# Altium PCB mcu2.PcbDoc (continued)
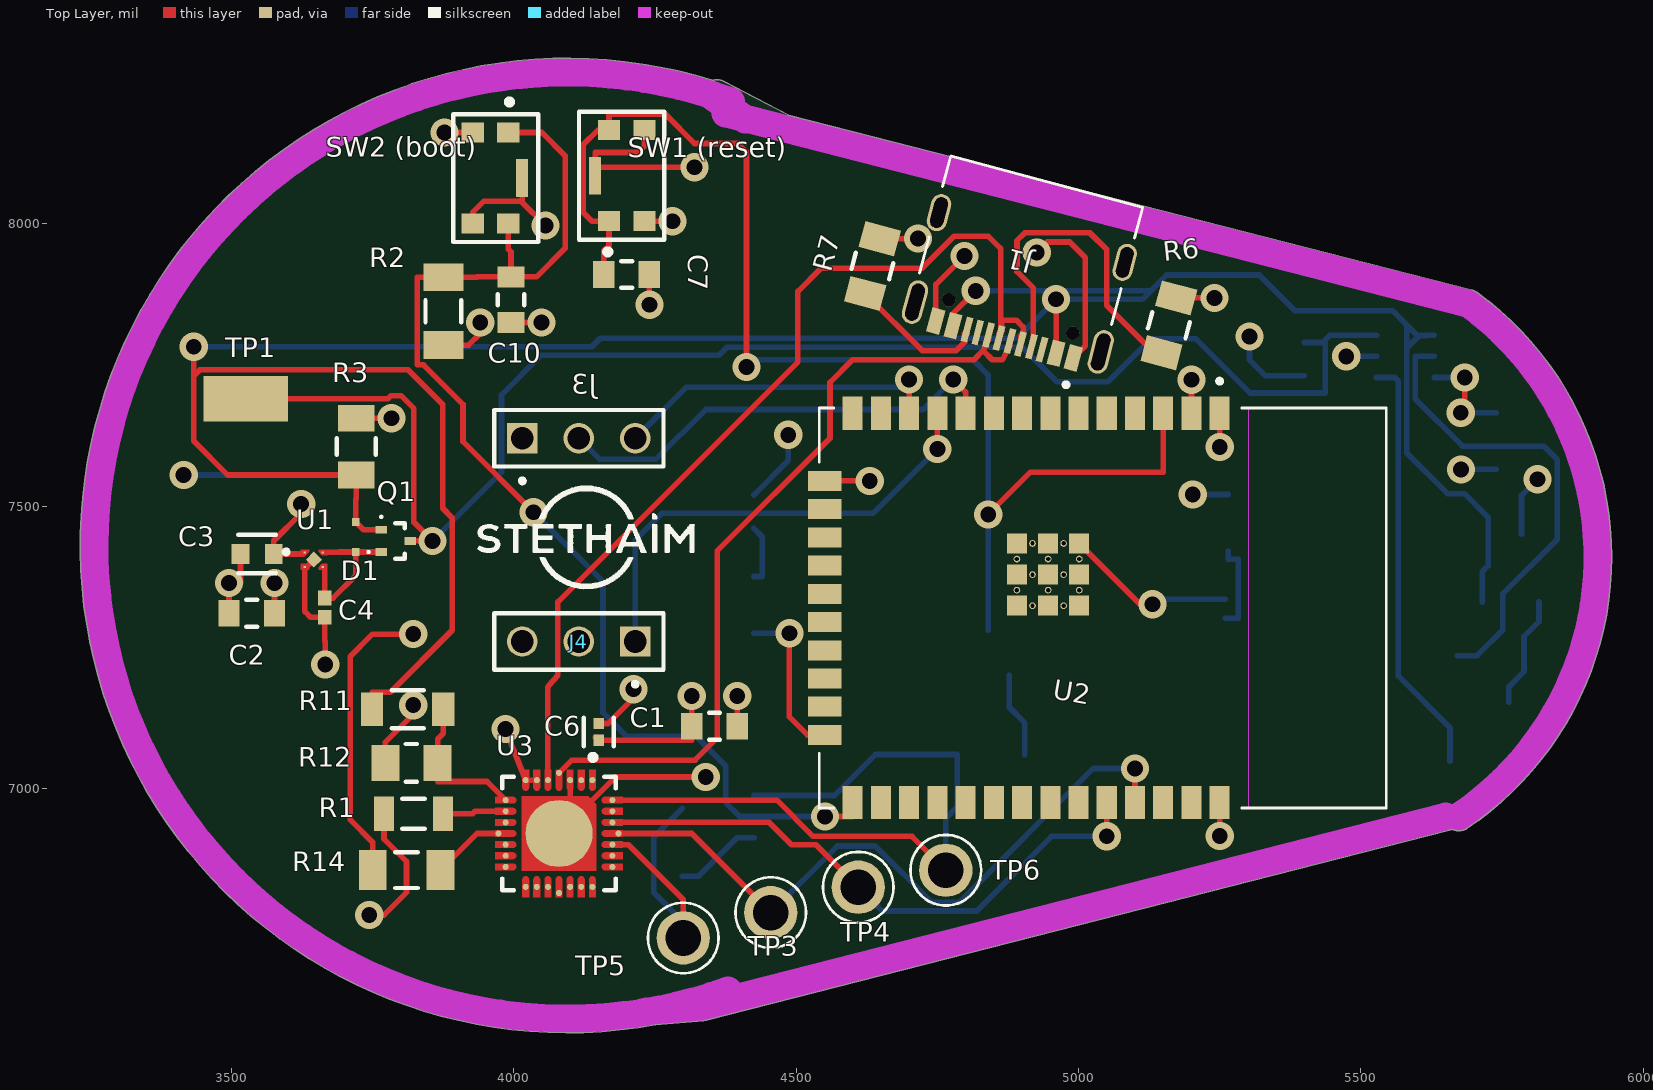
[diagram p0: Top Layer view]
## Footprints (in the part's own frame and the unit in brackets; to place one, negate y for a bottom-side part, rotate by r counter-clockwise, add the part's x,y. Pads: shape width x height; smd on the part's side, far side on the other; paste and mask are expansions set on the pad) (continued)
  Top Layer region: 2.875,-1.15 2.075,-1.15 2.018,-1.139 1.969,-1.106 1.936,-1.057 1.925,-1 1.925,-1 1.936,-0.943 1.969,-0.894 2.018,-0.861 2.075,-0.85 2.075,-0.85 2.875,-0.85
  Top Layer region: 2.875,-1.65 2.075,-1.65 2.018,-1.639 1.969,-1.606 1.936,-1.557 1.925,-1.5 1.925,-1.5 1.936,-1.443 1.969,-1.394 2.018,-1.361 2.075,-1.35 2.075,-1.35 2.875,-1.35
  Top Layer region: 1.35,-2.875 1.35,-2.075 1.361,-2.018 1.394,-1.969 1.443,-1.936 1.5,-1.925 1.5,-1.925 1.557,-1.936 1.606,-1.969 1.639,-2.018 1.65,-2.075 1.65,-2.075 1.65,-2.875
  Top Layer region: 0.85,-2.875 0.85,-2.075 0.861,-2.018 0.894,-1.969 0.943,-1.936 1,-1.925 1,-1.925 1.057,-1.936 1.106,-1.969 1.139,-2.018 1.15,-2.075 1.15,-2.075 1.15,-2.875
  Top Layer region: 0.35,-2.875 0.35,-2.075 0.361,-2.018 0.394,-1.969 0.443,-1.936 0.5,-1.925 0.5,-1.925 0.557,-1.936 0.606,-1.969 0.639,-2.018 0.65,-2.075 0.65,-2.075 0.65,-2.875
  Top Layer region: -0.15,-2.875 -0.15,-2.075 -0.139,-2.018 -0.106,-1.969 -0.057,-1.936 0,-1.925 0,-1.925 0.057,-1.936 0.106,-1.969 0.139,-2.018 0.15,-2.075 0.15,-2.075 0.15,-2.875
  Top Layer region: -0.65,-2.875 -0.65,-2.075 -0.639,-2.018 -0.606,-1.969 -0.557,-1.936 -0.5,-1.925 -0.5,-1.925 -0.443,-1.936 -0.394,-1.969 -0.361,-2.018 -0.35,-2.075 -0.35,-2.075 -0.35,-2.875
  Top Layer region: -1.15,-2.875 -1.15,-2.075 -1.139,-2.018 -1.106,-1.969 -1.057,-1.936 -1,-1.925 -1,-1.925 -0.943,-1.936 -0.894,-1.969 -0.861,-2.018 -0.85,-2.075 -0.85,-2.075 -0.85,-2.875
  Top Layer region: -1.65,-2.875 -1.65,-2.075 -1.639,-2.018 -1.606,-1.969 -1.557,-1.936 -1.5,-1.925 -1.5,-1.925 -1.443,-1.936 -1.394,-1.969 -1.361,-2.018 -1.35,-2.075 -1.35,-2.075 -1.35,-2.875
  Top Layer region: -2.875,-1.35 -2.075,-1.35 -2.018,-1.361 -1.969,-1.394 -1.936,-1.443 -1.925,-1.5 -1.925,-1.5 -1.936,-1.557 -1.969,-1.606 -2.018,-1.639 -2.075,-1.65 -2.075,-1.65 -2.875,-1.65
  Top Layer region: -2.875,-0.85 -2.075,-0.85 -2.018,-0.861 -1.969,-0.894 -1.936,-0.943 -1.925,-1 -1.925,-1 -1.936,-1.057 -1.969,-1.106 -2.018,-1.139 -2.075,-1.15 -2.075,-1.15 -2.875,-1.15
  Top Layer region: -2.875,-0.35 -2.075,-0.35 -2.018,-0.361 -1.969,-0.394 -1.936,-0.443 -1.925,-0.5 -1.925,-0.5 -1.936,-0.557 -1.969,-0.606 -2.018,-0.639 -2.075,-0.65 -2.075,-0.65 -2.875,-0.65
  Top Layer region: -2.875,0.15 -2.075,0.15 -2.018,0.139 -1.969,0.106 -1.936,0.057 -1.925,0 -1.925,0 -1.936,-0.057 -1.969,-0.106 -2.018,-0.139 -2.075,-0.15 -2.075,-0.15 -2.875,-0.15
  Top Layer region: -2.875,0.65 -2.075,0.65 -2.018,0.639 -1.969,0.606 -1.936,0.557 -1.925,0.5 -1.925,0.5 -1.936,0.443 -1.969,0.394 -2.018,0.361 -2.075,0.35 -2.075,0.35 -2.875,0.35
  Top Layer region: -2.875,1.15 -2.075,1.15 -2.018,1.139 -1.969,1.106 -1.936,1.057 -1.925,1 -1.925,1 -1.936,0.943 -1.969,0.894 -2.018,0.861 -2.075,0.85 -2.075,0.85 -2.875,0.85
  Top Layer region: -2.875,1.65 -2.075,1.65 -2.018,1.639 -1.969,1.606 -1.936,1.557 -1.925,1.5 -1.925,1.5 -1.936,1.443 -1.969,1.394 -2.018,1.361 -2.075,1.35 -2.075,1.35 -2.875,1.35
  Top Layer region: -1.325,1.675 1.675,1.675 1.675,-1.675 -1.675,-1.675 -1.675,1.325
  silkscreen extent -3.55,-2.55 2.55,2.55, body extent -2.98,-2.98 2.98,2.98, height 0.25
FP-KMR211GLFS-MFG [mm]
  rect 0.9x1 smd paste+0 mask+0: 1(-2.05,0.8) 2(2.05,0.8) 3(-2.05,-0.8) 4(2.05,-0.8)
  rect 1.7x0.55 smd paste+0 mask+0: 5(0,1.425)
  silkscreen extent -3.55,-1.68 2.88,2.15
FP-LTST-C190KRKT-MFG [mm]
  rect 0.8x0.8 smd paste+0 mask+0: 1(-0.75,0) 2(0.75,0)
  silkscreen extent -1.85,-0.83 0.82,0.82, body extent -0.8,-0.4 0.8,0.4, height 0.9
FP-RMCF1206-IPC_C [mil]
  rect 47.39x65.28 smd paste+0 mask+0: 1(-50.22,0) 2(50.22,0)
  silkscreen extent -15,-34 15,34, body extent -78,-38 78,38, height 10
FP-RNCP1206-IPC_C [mil]
  rect 49.39x63.24 smd paste+0 mask+0: 1(-46.29,0) 2(46.29,0)
  silkscreen extent -10,-33 10,33, body extent -75,-37 75,37, height 10
FP-RT1206-MFG [mm]
  rect 1x1.5 smd paste+0 mask+0: 1(-1.6,0) 2(1.6,0)
  silkscreen extent -0.73,-0.85 0.73,0.85, body extent -2.2,-0.95 2.2,0.95, height 0.25
FP-SS8050-G-MFG [mm]
  rect 0.8x0.6 smd paste+0 mask+0: 1(-1.01,0.95) 2(-1.01,-0.95) 3(1.01,0)
  silkscreen extent -0.7,-1.5 0.7,1.5, body extent -1.21,-1.45 1.21,1.45, height 1.15
HRO_TYPE-C-31-M-12 [mm]
  rect 0.6x1.14 smd mask+0.05: A1_B12(-3.2,4.75) A4_B9(-2.4,4.75) B1_A12(3.2,4.75) B4_A9(2.4,4.75)
  rect 0.3x1.14 smd mask+0.05: A5(-1.25,4.75) A6(-0.25,4.75) A7(0.25,4.75) A8(1.25,4.75) B5(1.75,4.75) B6(0.75,4.75) B7(-0.75,4.75) B8(-1.75,4.75)
  oval 0.9x2 hole 0.6 slot 1.7 at 90 deg: S1(-4.325,4.17) S2(4.325,4.17)
  oval 0.9x1.7 hole 0.6 slot 1.4 at 90 deg: S3(-4.325,0) S4(4.325,0)
  round 0.6 hole 0.6 unplated: ""(-2.89,3.68) ""(2.89,3.68)
  silkscreen extent -4.47,-2.6 4.47,6.1, body extent -4.47,-2.6 4.47,5.31, height 3.31
INF-SC79_V [mm] "SC79, 2-Leads, Body 1.2x0.8 mm"
  rect 0.35x0.35 smd: 1(-0.672,0) 2(0.678,0)
  silkscreen extent -0.72,-0.62 -0.62,-0.53, body extent -0.6,-0.4 0.6,0.4, height 0.59
KEYSTONE_5019 [mm]
  rect 3.8x2.03 smd: TP(0,0)
  body extent -1.91,-1.01 1.91,1.01, height 1.14
KEYSTONE_5124 [mm]
  round 2.4 hole 1.6: TP(0,0)
  silkscreen extent -1.59,-1.59 1.59,1.59
ONSC-SC-75-3-463-01_V [mil] "SOT23, 3-Leads, Body 1.6x0.8mm, Pitch 0.5mm"
  rect 20x14.02 smd: 1(-25.49,19.69) 2(-25.49,-19.69) 3(25.49,0)
  silkscreen extent -27,-31 16,44, body extent -16,-31 16,31, height 35
RESC3116X65X40ML10T20 [mm] "Chip Resistor, 2-Leads, Body 3.10x1.60mm, IPC Low Density"
  rect 1.25x1.8 smd: 1(-1.525,0) 2(1.525,0)
  silkscreen extent -0.5,-0.8 0.5,0.8, body extent -1.6,-0.85 1.6,0.85, height 0.65
RESC3216X70X50LL05T20 [mm] "Chip Resistor, 2-Leads, Body 3.20x1.60mm, IPC High Density"
  rect 0.9x1.55 smd: 1(-1.325,0) 2(1.325,0)
  silkscreen extent -0.5,-0.67 0.5,0.67, body extent -1.63,-0.82 1.62,0.82, height 0.7
SAMTEC_TSW-101-23-L-T#1 [mm]
  rect 1.37x1.37 hole 1.02: 01(0,0)
  round 1.37 hole 1.02: 02(0,-2.54) 03(0,-5.08)
  silkscreen extent -2.02,-6.35 1.27,1.27
SAMTEC_TSW-101-23-L-T#2 [mm]
  rect 1.37x1.37 hole 1.02: 01(0,0)
  round 1.37 hole 1.02: 02(0,2.54) 03(0,5.08)
  silkscreen extent -2.02,-1.27 1.27,6.35
SOT23-6 [mm]
  rect 0.55x1.2 smd: 1(-0.95,-1.3) 2(0,-1.3) 3(0.95,-1.3) 4(0.95,1.3) 5(0,1.3) 6(-0.95,1.3)
  silkscreen extent -1.13,-0.41 -1.06,-0.34
VREG_NCP167BMX330TBG [mm]
  rect 0.1x0.1 smd paste-1 mask+0: 1(-0.405,0.325) 2(-0.405,-0.325) 3(0.405,-0.325) 4(0.405,0.325)
  rect 0.52x0.52 smd rot 45 mask+0.05: 5(0,0)
  Top Layer region: 0.6,0.195 0.36,0.195 0.21,0.345 0.21,0.455 0.6,0.455
  Top Layer region: 0.6,-0.455 0.21,-0.455 0.21,-0.345 0.36,-0.195 0.6,-0.195
  Top Layer region: -0.21,0.345 -0.36,0.195 -0.6,0.195 -0.6,0.455 -0.21,0.455
  Top Layer region: -0.21,-0.345 -0.21,-0.455 -0.6,-0.455 -0.6,-0.195 -0.36,-0.195
  silkscreen extent -1.35,0.25 -1.15,0.45
WL-SMCW_1206_150120xx75000 [mm] "SMD Mono-color Chip LED, body 3.2x1.6mm"
  rect 1.4x1.6 smd: 1(-1.5,0) 2(1.5,0)
  silkscreen extent -2.6,-0.75 -2.4,0.75, body extent -1.6,-0.8 1.6,0.8, height 0.68
XCVR_ESP32-WROOM-32E_(16MB) [mm]
  rect 1.5x0.9 smd: 1(-8.75,5.26) 2(-8.75,3.99) 3(-8.75,2.72) 4(-8.75,1.45) 5(-8.75,0.18) 6(-8.75,-1.09) 7(-8.75,-2.36) 8(-8.75,-3.63) 9(-8.75,-4.9) 10(-8.75,-6.17) 11(-8.75,-7.44) 12(-8.75,-8.71) 13(-8.75,-9.98) 14(-8.75,-11.25) 25(8.75,-11.25) 26(8.75,-9.98) 27(8.75,-8.71) 28(8.75,-7.44) 29(8.75,-6.17) 30(8.75,-4.9) 31(8.75,-3.63) 32(8.75,-2.36) 33(8.75,-1.09) 34(8.75,0.18) 35(8.75,1.45) 36(8.75,2.72) 37(8.75,3.99) 38(8.75,5.26)
  rect 0.9x1.5 smd: 15(-5.715,-12.5) 16(-4.445,-12.5) 17(-3.175,-12.5) 18(-1.905,-12.5) 19(-0.635,-12.5) 20(0.635,-12.5) 21(1.905,-12.5) 22(3.175,-12.5) 23(4.445,-12.5) 24(5.715,-12.5)
  rect 0.9x0.9 smd: 39_1(-2.9,-1.06) 39_2(-1.5,-1.06) 39_3(-0.1,-1.06) 39_4(-2.9,-2.46) 39_5(-1.5,-2.46) 39_6(-0.1,-2.46) 39_7(-2.9,-3.86) 39_8(-1.5,-3.86) 39_9(-0.1,-3.86)
  round 0.3 hole 0.2 mask+0: 39_10(-2.2,-1.06) 39_11(-0.8,-1.06) 39_12(-2.9,-1.76) 39_13(-1.5,-1.76) 39_14(-0.1,-1.76) 39_15(-2.2,-2.46) 39_16(-0.8,-2.46) 39_17(-2.9,-3.16) 39_18(-1.5,-3.16) 39_19(-0.1,-3.16) 39_20(-2.2,-3.86) 39_21(-0.8,-3.86)
  Keep-Out Layer region: 9,6.56 -9,6.56 -9,12.75 9,12.75
  silkscreen extent -10.3,-12.75 9,12.75, body extent -9,-12.75 9,12.75, height 3.25

## Part data
C1 C2 C7 C10: library part CMP-2000-07546-2, "Cap Ceramic 100nF 50V X7R 10% Pad SMD 0603 +125°C Automotive T/R", Case Code (Imperial)=0603, Case Code (Metric)=1608, Dielectric=X7R, Max Operating Temperature=125°C, Min Operating Temperature=-55°C, Package Quantity=1, Ratings=AEC-Q200, Tolerance=10%, Voltage=50V, Capacitance=100nF, Case/Package=0603, Composition=Ceramic, Depth=0.8mm, Height=0.8mm, Lead Free="Lead Free", Length=1.6mm, Mount="Surface Mount", Packaging="Tape and Reel", Radiation Hardening=No, REACH SVHC="No SVHC", Termination=SMD/SMT, Thickness=0.035inch, Voltage Rating=50V, Voltage Rating (DC)=50V, Weight=7.1E-05oz, Width=0.8mm
C3: library part CMP-2000-06075-2, "CAP CER 22UF 6.3V X5R 0603", Case Code (Imperial)=0603, Case Code (Metric)=1608, Dielectric=X5R, Max Operating Temperature=85°C, Min Operating Temperature=-55°C, Package Quantity=4000, Resistor Type=Ceramic, Tolerance=20%, Voltage Rating=6.3V, Capacitance=22uF, Case/Package=0603, Depth=0.8mm, Halogen Free="Halogen Free", Lead Free="Lead Free", Length=0.063inch, Mount="Surface Mount", Packaging="Tape and Reel", RoHS Compliant=Yes, Termination=SMD/SMT, Thickness=0.035inch, Voltage Rating (DC)=6.3V, Weight=7.1E-05oz, Width=0.031inch
C4 C5: library part CMP-2008-02056-1, Manufacturer=Kemet, Part Number=C0402C105M8PACTU
C6: library part CMP-13271-001251-1, "Cap Ceramic 4.7uF 10V X5R ±10% SMD 0402 +85°C Paper T/R", Capacitance=4.7uF, Case Code (Imperial)=0402, Case Code (Metric)=1005, Dielectric=X5R, Max Operating Temperature=85°C, Min Operating Temperature=-55°C, Package Quantity=1, Tolerance=10%, Voltage Rating=10V, Case/Package=0402, Depth=0.5mm, Height=0.5mm, Lead Free="Lead Free", Length=1mm, Material=Ceramic, Mount="Surface Mount", Packaging="Tape and Reel", Radiation Hardening=No, Thickness=0.022inch, Width=0.02inch
C8 C9: library part CMP-2007-03243-2, "CAP CER 10UF 10V X5R 0805", 3DS Part Number=220-00001, Capacitance=10uF, Manufacturer=Kemet, Manufacturer Part Number=C0805C106K8PACTU, Package=C0805C-DG, Temperature="-55°C to +85°C", Temperature Characteristic=X5R, Temperature Coefficient=15%, Temperature Range High=+85°C, Temperature Range Low=-55°C, Tolerance=10%, Voltage=10V, Automotive=No, Category=Cap, ComponentLink2Description=Datasheet, ComponentLink2URL=https://content.kemet.com/datasheets/KEM_C1006_X5R_SMD.pdf, Device Class L1="Passive Components", Device Class L2=Capacitors, Device Class L3="Ceramic Capacitors", Digikey Description="CAP CER 10UF 10V X5R 0805", Height=1.4mm, Ipc Land Pattern Name=CAPC200125X125, Lead Free=Yes, Material=Ceramic, Mouser Description="CAP CER 10UF 10V X5R 0805", Octopart=https://octopart.com/c0805c106k8pactu-kemet-98697, RoHS=TRUE, Voltage Rating=10V
D1: library part CMP-1183-00001-1, "Silicon Schottky Diode, SC79, Reel, Green", Manufacturer=Infineon, ComponentLink1Description="Manufacturer URL", ComponentLink1URL=http://www.infineon.com/, ComponentLink2Description=Datasheet, ComponentLink2URL=http://www.infineon.com/dgdl/bas52series.pdf?folderId=db3a30431f848401011fcbf2ab4c04c4&fileId=db3a30432d9b3066012dbc006764413f, ComponentLink3Description="Package Specification", ComponentLink3URL=http://www.infineon.com/dgdl/SC79-Package_Overview.pdf?folderId=db3a30431936bc4b011951fbddb03b15&fileId=db3a30431936bc4b01195226fe583b41, Configuration=Single, CT (max)="10Â pF", Green=TRUE, Halogen-free=TRUE, IF (max)="750Â mA", Mounting Technology="Surface Mount", PackageDescription="2-Pin Semiconductor Package, 0.8 x 1.2 mm Body", PackageReference=SC79, Packing=Reel, PartNumber=BAS52-02V, VF (max)="600Â mV", VR (max)="45Â V"
D2: library part CMP-1674-00011-2, "LED RED CLEAR CHIP SMD", Case Code (Imperial)=0603, Case Code (Metric)=1608, Color=Red, Forward Current=30mA, Forward Voltage=2.4V, Lens Color=Colorless, Max Operating Temperature=85°C, Min Operating Temperature=-55°C, Package Quantity=1, Power Dissipation=75mW, Reverse Voltage=5V, Test Current=20mA, Case/Package=0603, Depth=0.8mm, Dominant Wavelength=631nm, Height=0.8mm, Illumination Color=Red, Lead Free="Lead Free", Length=1.6mm, Lens Style=Diffused, Lens Transparency=Clear, Luminous Intensity=54mcd, Mount="Surface Mount", Number of Elements=1, Number of LEDs=1, Number of Pins=2, Packaging="Tape and Reel", Power Rating=75mW, Radiation Hardening=No, Viewing Angle=130°, Wavelength=639nm, Width=0.8mm
D5: library part CMP-2000-05792-2, "LED GREEN CLEAR 2SMD", Case Code (Imperial)=1206, Case Code (Metric)=3216, Color=Green, Forward Current=20mA, Forward Voltage=2.1V, Lens Color=Clear, Max Operating Temperature=85°C, Min Operating Temperature=-40°C, Package Quantity=2000, Case/Package=1206, Dominant Wavelength=570nm, Height=1.8mm, Illumination Color=Green, Lead Free="Lead Free", Length=3.2mm, Lens Style=Clear, Luminous Intensity=300mcd, Mount="Surface Mount", Number of LEDs=1, Number of Pins=2, Packaging="Tape and Reel", Test Current=20mA, Viewing Angle=50°, Width=1.6mm
D6: library part CMP-1426-00015-2, Case Code (Imperial)=1206, Case Code (Metric)=3216, Color=Blue, Forward Current=100mA, Forward Voltage=3.2V, Manufacturer Package Identifier=LED_1206, Max Operating Temperature=85°C, Max Reverse Voltage (DC)=5V, Min Operating Temperature=-40°C, Test Current=20mA, Case/Package=1206, Dominant Wavelength=470nm, Height=680µm, Length=3.2mm, Lens Style="Clear, Rectangular", Luminous Intensity=145mcd, Mount="Surface Mount", NexarPartId=29717786, Packaging="Tape and Reel", Peak Wavelength=465nm, REACH SVHC=Unknown, RoHS=Compliant, Viewing Angle=140°, Wavelength=470nm, Width=1.6mm
J1: library part CMP-010-000000-1, "USB Connectors 24 Receptacle 1 8.94*7.3mm RoHS", Package=Package, Availability="Not in stock", Component Type=Standard, Design Item ID=TYPE-C-31-M-12, MF="HRO Electronics Co., Ltd.", MP=TYPE-C-31-M-12, Pin Count=16, Price=None, SnapEDA_Link=https://www.snapeda.com/parts/TYPE-C-31-M-12/HRO+Electronics+Co.%252C+Ltd./view-part/?ref=snap, Source=TYPE-C-31-M-12.SchLib
J2: "<b>500mA linear li-ion battery charger</b><p> tp4057 actual charge current to 500ma, dual-lamp indication, reverse battery protection.<br> Alternative to MAX1551 or MAX1555 (not compatible!)<p> Datasheet from TP micro: <br> http://www.tpmicro.com/datasheet/TP4057Ver1.0_preview.pdf <br> http://www.tp-asic.com/te_product_a/2009-05-20/33.chtml", Package=None, Availability="Not in stock", Check_prices=https://www.snapeda.com/parts/TP4057/Top+Power/view-part/?ref=eda, MF=toppower, MP=TP4057, Price=None, SnapEDA_Link=https://www.snapeda.com/parts/TP4057/Top+Power/view-part/?ref=snap
J3 J4 TP3 TP4 TP5 TP6: Package=None, Availability=Unavailable, Price=None
  J3 J4: MP=TSW-101-23-L-T
  TP3 TP4 TP5 TP6: MP=5124
Q1: library part CMP-1058-00650-1, "Small Signal MOSFET, -20 V, -760 mA, Single P-Channel, Gate Zener, 3-Pin SC75, Pb-Free, Tape and Reel", Manufacturer="On Semiconductor", Package Type=SC-75-3, Channel Polarity="P Channel", Ciss Typ (pF)=156, ComponentLink1Description="Manufacturer URL", ComponentLink1URL=http://www.onsemi.com/, ComponentLink2Description=Datasheet, ComponentLink2URL=http://www.onsemi.cn/pub_link/Collateral/NTA4151P-D.PDF, ComponentLink3Description="Package Specification", ComponentLink3URL=http://www.onsemi.com/pub_link/Collateral/463-01.PDF, Configuration=Single, Coss Typ (pF)=28, Crss Typ (pF)=18, DatasheetVersion="Rev. 7", ID Max (A)=0.76, Mounting Technology="Surface Mount", PackageDescription="3-Pin Small Outline Transistor, Body 1.6 x 0.8 mm, Pitch 0.5 mm", PackageReference=SC-75-3-463-01, PackageVersion="Rev. F, 07/2005", Packing="Tape and Reel", PartNumber=NTA4151PT1G, RoHS=Pb-Free, V(BR)DSS Min (V)=20, VGS Max (V)=6, VGS(th) Max (V)=1.2
Q2 Q3: library part CMP-20235-000001-1, "NPN TRANSISTOR 1.5A 40V SOT-23 R", Case/Package=TO-236-3, Collector Emitter Breakdown Voltage=25V, Collector Emitter Voltage (VCEO)=400mV, Max Collector Current=1.5A, Max Power Dissipation=300mW, Transition Frequency=100MHz, Max Breakdown Voltage=25V, Mount="Surface Mount", Packaging="Tape and Reel", RoHS Compliant=Yes
R1: library part CMP-2003-00017-1, Manufacturer=Panasonic, Part Number=ERJ-8ENF1001V
R2 R8 R13 R14: library part CMP-1014-00623-2, "Chip Resistor, 10 KOhm, +/- 1%, 0.25 W, -55 to 155 degC, 1206 (3216 Metric), RoHS, Tape and Reel", Case Code (Imperial)=1206, Case Code (Metric)=3216, Manufacturer=Yageo, Max Operating Temperature=155degC, Min Operating Temperature=-55degC, Package Description="2-Pin Surface Mount Device, Body 3.1 x 1.6 mm", Package Quantity=5000, Package Reference=1206.0, Power Rating=250mW, Resistance=10KOhm, Temperature Coefficient=100ppm/degreesC, Tolerance=1%, Voltage Rating=200V, Case/Package=1206, Composition=ThickFilm, Datasheet URL=http://www.yageo.com/NewPortal/yageodocoutput?fileName=/pdf/R-Chip/PYu-RC_Group_51_RoHS_L_5.pdf, Datasheet Version="Rev. 5, 10/2016", Depth=1.6mm, Height=0.55mm, Lead Free=LeadFree, Length=3.1mm, Manufacturer URL=http://www.yageo.com/, Military Standard=Not, Packaging=TapeandReel, REACH SVHC=Unknown, RoHSCompliant=true, Termination=SMD/SMT, Width=1.6mm
R3 R4 R5 R6 R7 R9 R10: library part CMP-26527-004028-1, "5.1kΩ ±5% 0.25W 1206 Thick Film Chip Resistor AEC-Q200 compliant", Case Code (Imperial)=1206, Case Code (Metric)=3216, Max Operating Temperature=155°C, Max Power Dissipation=250mW, Min Operating Temperature=-55°C, Resistance=5.1kR, Resistor Type="Thick Film", Temperature Coefficient=200ppm/°C, Tolerance=5%, Case/Package=1206, Construction=Rectangular, Contact Plating=Tin, Depth=1.6mm, Features="Automotive AEC-Q200", Height=0.028inch, Lead Free="Lead Free", Length=0.126inch, Military Standard=Not, Mount="Surface Mount", Number of Terminations=2, Packaging="Tape and Reel", Power Rating=250mW, Radiation Hardening=No, RoHS Compliant=Yes, Series=RMCF, Size Code=1206, Width=0.063inch
R11: library part CMP-03412-021522-1, "RES SMD 22.1K OHM 0.1% 1/4W 1206", Manufacturer=Yageo, Manufacturer Part Number=RT1206BRD0722K1L, Package=RT1206, Power Rating=0.25W, Resistance=22.1KΩ, Temperature="-55°C to +155°C", Temperature Coefficient="25 ppm/°C", Temperature Range High=+155°C, Temperature Range Low=-55°C, Tolerance=0.005, Voltage Rating=200V, Automotive=No, Category=Res, ComponentLink2Description=Datasheet, ComponentLink2URL=http://www.yageo.com/documents/recent/PYu-RT_1-to-0.01_RoHS_L_9.pdf, Composition="Thin Film", Device Class L1="Passive Components", Device Class L2=Resistors, Device Class L3="Chip SMD Resistors", Digikey Description="RES SMD 22.1K OHM 0.1% 1/4W 1206", Footprint Url=http://www.yageo.com/exep/pages/download/literatures/PYu-R_Mount_10.pdf, Height=0.65mm, Ipc Land Pattern Name=RESC310160X55, Lead Free=Yes, Mouser Description="Thin Film Resistors 1/4W 22.1K ohm .1% 25ppm", Octopart=https://octopart.com/rt1206brd0722k1l-yageo-1174663, RoHS=TRUE, Series=RT
R12: library part CMP-26527-001071-1, "47.5kΩ ±1% 0.5W 1206 High Power Anti-Sulfur Thin Film Chip Resistor", Case Code (Imperial)=1206, Case Code (Metric)=3216, Max Operating Temperature=155°C, Max Power Dissipation=500mW, Min Operating Temperature=-55°C, Package Quantity=1, Resistance=47.5kR, Resistor Type="Thin Film", Temperature Coefficient=100ppm/°C, Tolerance=1%, Case/Package=1206, Features="Moisture Resistant", Height=0.024inch, Length=0.122inch, Mount="Surface Mount", Number of Terminations=2, Packaging="Tape and Reel", RoHS Compliant=Yes, Series=RNCP, Width=0.059inch
"SW1 (reset)" "SW2 (boot)": library part CMP-10040-000023-1, "SWITCH TACTILE SPST-NO 0.05A 32V", Contact Current Rating=50mA, Max Operating Temperature=85°C, Max Voltage Rating (DC)=32V, Min Operating Temperature=-40°C, Operating Force=1.2N, Package Quantity=1, Power Rating=1W, Actuator Length=0.5mm, Actuator Type=Standard, Contact Material=Silver, Contact Plating=Silver, Current Rating=50mA, Depth=4.6mm, Illumination Type=Non-Illuminated, Lead Free="Lead Free", Length=2.8mm, Max Current Rating=50mA, Mechanical Life=200000Cycles, Mount="Surface Mount", Orientation=Straight, Packaging="Tape and Reel", Radiation Hardening=No, REACH SVHC="No SVHC", Switch Function=Off-Mom, Switch Travel=0.2mm, Termination="Gull Wing", Throw Configuration=SPST, Voltage Rating (DC)=32V, Width=2.8mm
TP1: "SMT Test Point- Mininature-1000 pc Reels", Package=None, Availability="In Stock", MF="Keystone Electronics", MP=5019, Price=None, Purchase-URL=https://pricing.snapeda.com/search/part/5019/?ref=eda
TP2: library part 5019, "SMT Test Point- Mininature-1000 pc Reels", Package=None, Availability="In Stock", MF="Keystone Electronics", MP=5019, Price=None, Purchase-URL=https://pricing.snapeda.com/search/part/5019/?ref=eda
U1: "Linear Voltage Regulator IC Positive Fixed 1 Output 700mA 4-XDFN (1x1)", Package=None, Availability="In Stock", Check_prices=https://www.snapeda.com/parts/NCP167BMX330TBG/EMI/view-part/?ref=eda, MF=onsemi, MP=NCP167BMX330TBG, Price=None, Purchase-URL=https://pricing.snapeda.com/search?q=NCP167BMX330TBG&ref=eda, SnapEDA_Link=https://www.snapeda.com/parts/NCP167BMX330TBG/EMI/view-part/?ref=snap
U2: library part CMP-022-000000-1, "Bluetooth, WiFi 802.11b/g/n, Bluetooth v4.2 +EDR, Class 1, 2 and 3 Transceiver Module 2.4GHz ~ 2.5GHz Integrated, Trace Surface Mount", Package=None, Availability="Not in stock", Check_prices=https://www.snapeda.com/parts/ESP32-WROOM-32E%20(16MB)/Espressif+Systems/view-part/?ref=eda, Component Type=Standard, Design Item ID=ESP32-WROOM-32E_(16MB), MF="Espressif Systems", MP="ESP32-WROOM-32E (16MB)", Pin Count=47, Price=None, SnapEDA_Link=https://www.snapeda.com/parts/ESP32-WROOM-32E%20(16MB)/Espressif+Systems/view-part/?ref=snap, Source=ESP32-WROOM-32E_(16MB).SchLib
U3: library part CMP-08093-000007-1, "IC USB TO UART BRIDGE QFN28"

## Via types
v1: diameter 50, hole 28, Top Layer to Bottom Layer, 52 vias

## Nets (pads, with @x,y where several pads share a name; then routed paths per layer and width w, separated by ;. In a path a pad name is that pad's centre, name@x,y a point inside that pad or via, vN(x,y) a via of type N, cw(c..) or ccw(c..) an arc to the next point about the centre after c; other vN are vias at no path point)
3V3: C1.1 C2.1 C3.1 C6.1 J4.02 R1.2 R2.2 R4.2 U1.1 U2.2 U3.6 U3.7 | length 1041.5
  Top Layer w10: C2.1 v1(3576.14,7363.75) ; v1(3623.32,7503.43) 3623.32,7486.88 3574.84,7438.41 C3.1 3627.05,7415 U1.1 ; v1(3744,6775.78) 3770,6775.78 3810,6815.78 3810,6870.35 3770,6910.35 R1.2 ; R2.2 3920,7784.96 3940.43,7805.4 v1(3940.43,7824.96) ; v1(3985,7105) U3.7 U3.6 ; C6.1@4144.36,7090.14 4145.7,7090.14 4150,7085.84 C6.1 4315,7085 C1.1 v1(4315,7163.75) ; U2.2 v1(5200,7723.5)
  Bottom Layer w10: v1(5202.36,7520.44) R4.2
BATP: C9.1 J2.3 Q1.3 TP1.TP | length 2724.1
  Top Layer w10: TP1.TP 3777,7690 3782.5,7695.5 3800,7695.5 3823,7672.5 3823,7471.24 v1(3856,7438.24) Q1.3
  Bottom Layer w10: v1(3856,7438.24) 3978,7560.24 3978,7696.76 4048.24,7767 4363.06,7767 4377.06,7781 4901,7781 4962,7720 5052,7720 5128,7796 5208,7796 5304,7700 5437,7700 5437,7789.53 5432.27,7789.53 ; C9.1 5432.27,7789.53 ; J2.3 5445.14,7802.4 5432.27,7789.53
DTR: Q3.2 R8.1 TP6.TP U3.28 | length 1245
  Top Layer w10: U3.28 4465.94,6979.06 4530,6915 4705,6915 TP6.TP
  Bottom Layer w10: Q3.2 4568,6987.4 4640.6,7060 R8.1 4784.96,6966.96 4765,6947 TP6.TP
EN: "SW1 (reset).1" "SW1 (reset).2" C7.1 Q2.3 U2.3 | length 2348.7
  Top Layer w10: C7.1 4159.29,7952 4168.5,7961.21 4168.5,8004.29 4138.71,8004.29 4123,8020 4123,8140 4148.71,8165.71 4168.5,8165.71 4168.5,8194 4268,8194 4320,8142 4397,8142 4412,8127 v1(4412,7746) ; v1(4840,7485) 4915,7560 5150,7560 U2.3
  Bottom Layer w10: v1(4412,7746) 4425,7759 4813,7759 4840,7732 v1(4840,7485) Q2.3
GND: "SW1 (reset).3" "SW1 (reset).4" "SW1 (reset).5" "SW2 (boot).3" "SW2 (boot).4" "SW2 (boot).5" C1.2 C2.2 C3.2 C4.1 C5.1 C6.2 C7.2 C8.2 C9.2 C10.1 D2.1 J1.A1_B12 J1.B1_A12 J1.S1 J1.S2 J1.S3 J1.S4 J2.2 J4.03 R3.2 R6.1 R7.2 R9.1 R12.1 R14.2 TP2.TP U1.2 U1.5 U2.1 U2.15 U2.38 U2.39_1 U3.3 U3.29 | length 4063.6
  Top Layer w10: C2.2 v1@3495.43,7343.43 ; v1(3495.43,7363.75) v1@3495.43,7343.43 ; C3.2 3515.79,7363.79 v1@3495.43,7343.43 ; U1.5 3632.99,7392.2 U1.2 3629.84,7313.23 3640,7303.07 C4.1 3665,7260.65 3666,7259.65 v1(3666,7219.36) ; R3.2 v1(3783.43,7655.44) ; R14.2 3749.96,6904.58 3709.96,6944.58 3709.96,7233.15 3749.96,7273.15 v1(3822,7273.15) ; R12.1 3772.41,7081.75 3822,7131.34 v1(3822,7147.33) ; v1(3877.32,8161.42) 3927.01,8161.42 ; 3927.01,8000 3927.01,8020 3947.01,8040 4014.61,8040 ; C10.1 v1(4048.75,7825) ; 4014.61,8080.71 4014.61,8040 ; v1(4056,7996.53) 4056,7996.62 4014.61,8038.01 4014.61,8040 ; U3.3 4099.69,6939.69 U3.29 4180,7020 v1(4340,7020) ; 4143.9,8085 4143.9,8100 ; C6.2 4166.81,7114.81 4212,7160 v1(4212,7175.67) ; 4231.5,8004.29 v1(4281.18,8004.29) ; 4231.5,8165.71 4231.5,8137.5 4220,8126 4143.9,8126 4143.9,8100 ; v1(4240,7856.25) C7.2 ; v1(4320,8100) 4143.9,8100 ; C1.2 v1(4395.71,7163.75) ; U2.15 v1(4630.32,7544.49) ; R7.2 v1(4715.66,7973.51) ; J1.B1_A12 4747.31,7892.22 v1(4798,7942.91) ; v1(4926,7949) 4944.63,7967.63 4984.37,7967.63 5012,7940 5012,7783.56 J1.A1_B12 ; U2.39_1 5108.84,7326 v1(5131,7326) ; R6.1 v1(5240.66,7868.51) ; v1(5250,6915.47) U2.38 ; v1(5250,7604.45) U2.1
  Bottom Layer w10: v1(3415.2,7555) TP2.TP ; D2.1 4486,7580.53 v1(4486,7625.99) ; v1(5131,7326) 5140,7335 C5.1 ; v1(5302.71,7800) 5302.71,7758.76 5331,7730.47 C9.2 ; v1(5474.01,7765) J2.2 ; v1(5677.36,7564.78) R9.1 ; C8.2 5784.53,7518.81 v1(5813,7547.29)
IO0: "SW2 (boot).1" "SW2 (boot).2" C10.2 Q3.3 R2.1 U2.25 | length 2156.3
  Top Layer w10: 3990,8000 3990,7955 3995,7950 C10.2 ; 3990,8161.42 4049.58,8161.42 4091,8120 4091,7956.71 4040,7905.71 C10.2 ; v1(4035,7489) 3910,7614 3910,7680 3840,7750 3829,7750 3829,7905.04 R2.1 3934,7905.04 3934.67,7905.71 C10.2 ; v1(4551,6950) 4600,6950 U2.25
  Bottom Layer w10: v1(4035,7489) 4158,7366 4158,7134 4200,7092 4323,7092 4375,7040 4375,6975 4400,6950 Q3.3 v1(4551,6950)
IO2: R5.1 U2.24 | length 287.3
  Top Layer w10: v1(4488,7274.78) 4488,7126.49 4520,7094.49 U2.24
  Bottom Layer w10: R5.1 v1(4488,7274.78)
NetC4_2: C4.2 D1.1 Q1.2 U1.3 U1.4 | length 273.7
  Top Layer w10: U1.3 3665,7388.94 C4.2 3680,7336.93 3720,7376.93 D1.1 ; U1.4 3690,7417.8 3690.75,7418.55 D1.1 ; Q1.2 D1.1
NetC5_2: C5.2 R4.1 | length 159.9
  Bottom Layer w10: C5.2 5283,7301.14 5283,7406 5265,7406 R4.1
NetD2_2: D2.2 R5.2 | length 106.5
  Bottom Layer w10: R5.2 4440,7375.22 4440,7445.47 D2.2
NetD5_1: D5.1 J2.1 | length 752.7
  Bottom Layer w10: J2.1 5560,7727.6 5566.38,7721.22 5566.38,7198.62 5657.8,7107.2 D5.1
NetD5_2: D5.2 D6.2 R10.1 | length 199.9
  Bottom Layer w10: D5.2 5762.2,7180 5789.06,7206.86 D6.2 5789.06,7269 5815.44,7295.39 R10.1
NetD6_1: D6.1 J2.5 | length 846.1
  Bottom Layer w10: J2.5 5596.38,7765 5596.38,7689.62 5680,7606 5824,7606 5848,7582 5848,7441 5751,7344 5751,7280 5706,7235 D6.1
NetJ1_A5: J1.A5 R6.2 | length 608.1
  Top Layer w10: J1.A5 4920,7798.91 4920,7886 4891,7915 4891,7970 4905,7984 5020,7984 5050,7954 5050,7855 5133.51,7771.49 R6.2
NetJ1_B5: J1.B5 R7.1 | length 251.4
  Top Layer w10: R7.1 4723.49,7775 4783,7775 4798,7790 4798,7805 4802.45,7805 J1.B5
NetJ2_6: J2.6 R9.2 | length 182.6
  Top Layer w10: v1(5677,7665) 5684,7672 v1(5684,7727.6)
  Bottom Layer w10: J2.6 v1(5684,7727.6) ; v1(5677,7665) 5677.22,7665.22 R9.2
NetQ2_1: Q2.1 R8.2 | length 151.7
  Bottom Layer w10: Q2.1 4877.4,7143.64 4905.04,7116 R8.2
NetQ3_1: Q3.1 R13.2 | length 155.3
  Bottom Layer w10: R13.2 4327,6844.37 4395.23,6912.6 Q3.1
NetR1_1: R1.1 U3.9 | length 113
  Top Layer w10: R1.1 3927,6955 3931.37,6959.37 U3.9
NetR11_2: R11.2 R12.2 U3.8 | length 266.3
  Top Layer w10: R11.2 3875,7097 3865,7087 R12.2 3865,7012 3952.57,7012 U3.8
NetR14_1: R14.1 U3.11 | length 129.6
  Top Layer w10: R14.1 3870.04,6855.08 3934.96,6920 U3.11
RTS: R13.1 TP5.TP U3.24 | length 505.6
  Top Layer w10: U3.24 4202.68,6900.32 4300,6803 TP5.TP
  Bottom Layer w10: R13.1 4248,6914.26 4248,6815 4300,6763 TP5.TP
RXD0: TP4.TP U2.34 U3.26 | length 1055.3
  Top Layer w10: U3.26 4452.23,6939.69 4491.91,6900 4535,6900 TP4.TP ; v1(5050,6915) U2.34
  Bottom Layer w10: TP4.TP 4652.25,6782.75 4819.75,6782.75 4952,6915 v1(5050,6915)
SCK: J3.03 U2.12 | length 588.1
  Top Layer w10: U2.12 v1(4700,7724)
  Bottom Layer w10: J3.03 4305.51,7710.51 4686.51,7710.51 v1(4700,7724)
SD: J4.01 U2.11 | length 844.7
  Top Layer w10: v1(4750,7601) U2.11
  Bottom Layer w10: J4.01 4215,7440 4262,7487 4636,7487 v1(4750,7601)
TXD0: TP3.TP U2.35 U3.25 | length 1221.3
  Top Layer w10: U3.25 4315,6920 TP3.TP ; U2.35 v1(5100,7035)
  Bottom Layer w10: TP3.TP 4573,6898 4640,6898 4740.25,6797.75 4788.71,6797.75 5025.96,7035 v1(5100,7035)
USB_5V: C8.1 D1.2 J1.A4_B9 J1.B4_A9 J2.4 Q1.1 R3.1 R10.2 R11.1 | length 5118.7
  Top Layer w10: v1(3433,7782) 3433,7730 ; R11.1 3749.02,7170.03 3781.03,7170.03 3891,7280 3891,7479 3874,7496 3874,7680 3813,7741 3444,7741 3433,7730 ; Q1.1 3733.78,7457.92 D1.2 3720,7512 3720.79,7512.79 R3.1 3493,7555 3433,7615 3433,7730 ; J1.B4_A9 4777.73,7840.73 v1(4818,7881) ; v1(4960,7866) 4960.27,7865.73 J1.A4_B9
  Bottom Layer w10: v1(3433,7782) 4138,7782 4153,7797 4891,7797 v1(4960,7866) 5113,7866 5128,7881 ; v1(4818,7881) 5128,7881 ; R10.2 5715,7384 5725.47,7394.47 C8.1 5725.47,7480 5683.47,7522 5653.38,7522 5581.38,7594 5581.38,7780 ; 5128,7881 5156,7909 5320,7909 5383,7846 5556,7846 5581.38,7820.62 ; 5581.38,7780 5601.69,7800.31 ; 5581.38,7780 5581.38,7820.62 ; 5581.38,7820.62 5601.69,7800.31 ; 5601.69,7800.31 5603.78,7802.4 J2.4 5601.69,7800.31
USB_D+: J1.A6 J1.B6 U3.4 | length 1419.5
  Top Layer w10: U3.4 4102.72,7050 4321,7050 4360,7089 4360,7420 4560,7620 4560,7719 4600,7759 4815,7759 4831.1,7775.1 ; J1.B6 4840.48,7795 4831.1,7775.1 ; J1.A6 4878.51,7784 4865,7759 4847.2,7759 4831.1,7775.1
USB_D-: J1.A7 J1.B7 U3.5 | length 1718.5
  Top Layer w10: 4060.01,7176.15 U3.5 ; 4060.01,7176.19 cw(c4070.01,7176.17) 4062.57,7182.86 4078,7200 4078,7330 4503,7755 4503,7880 4544,7921 4723,7921 4780,7978 4840,7978 4862,7956 J1.A7@4862,7807.51 ; J1.A7 J1.A7@4859.49,7805 ; J1.B7 4897.52,7801.52 4902,7806 4902,7817 4890,7829 4863.77,7829 4863.77,7809.28 J1.A7@4862,7807.51 ; J1.A7@4859.49,7805 J1.A7@4862,7807.51 ; J1.A7@4859.49,7805 4862,7805 J1.A7@4862,7807.51
WS: J3.02 U2.10 | length 805.9
  Top Layer w10: v1(4778,7724) 4800,7702 U2.10
  Bottom Layer w10: J3.02 4152,7583 4252,7583 4340,7671 4725,7671 v1(4778,7724)
pads on no net: J1. J1.A8 J1.B8 J3.01 Q2.2 U2.4 U2.5 U2.6 U2.7 U2.8 U2.9 U2.13 U2.14 U2.16 U2.17 U2.18 U2.19 U2.20 U2.21 U2.22 U2.23 U2.26 U2.27 U2.28 U2.29 U2.30 U2.31 U2.32 U2.33 U2.36 U2.37 U2.39_2 U2.39_3 U2.39_4 U2.39_5 U2.39_6 U2.39_7 U2.39_8 U2.39_9 U2.39_10 U2.39_11 U2.39_12 U2.39_13 U2.39_14 U2.39_15 U2.39_16 U2.39_17 U2.39_18 U2.39_19 U2.39_20 U2.39_21 U3.1 U3.2 U3.10 U3.12 U3.13 U3.14 U3.15 U3.16 U3.17 U3.18 U3.19 U3.20 U3.21 U3.22 U3.23 U3.27

## Polygon pours and split planes (outlines as drawn)
GND on GND (split plane): 235 vertices, not listed, extent 3252.06,6587.06 5924.31,8272.94
3V3 on VDD (split plane): 235 vertices, not listed, extent 3252.06,6587.06 5924.31,8272.94

## Keep-outs
Keep-Out Layer:
  lines w10: 2315,3000 5375,3000 5375,4945 2315,4945 2315,3000
  lines w50: 3647.73,4702.89 ccw(c3227.73,3982.89) 2507.73,4402.89 ccw(c3224.32,3977.09) 2804.32,3257.09 2804.32,3255.68 2920,3140 3675,3140 4720,3140 5235,3655 5240,3660 5240,4343.13 5240,4345 4875,4710 4280,4710 ; 3650,4710 4270,4710 ; 4235,6605 4333.98,6613.28 5650,6950 ; 4345,8230 4410,8185 ; 4375,8195 5691.02,7858.28 cw(c5365,7410) 5673.68,6949.6 ; 4379.35,6641.79 cw(c4095,7430) 4384.21,8216.44

## Silkscreen, mask and mechanical layers (free items; w line width, h text height)
Top Overlay:
  drawing of 12 lines, arcs and shapes, not listed
Bottom Overlay:
  circle w10: c4095,7430 r644.17
Mechanical 1:
  drawing of 11083 lines, arcs and shapes, not listed
  text "24" at 2592.99,9588.45 h31.25
  text "23" at 2905.98,9588.45 h31.25
  text "22" at 3299.69,9588.45 h31.25
  text "21" at 3693.39,9588.45 h31.25
  text "20" at 4087.09,9588.45 h31.25
  text "19" at 4480.79,9588.45 h31.25
  text "18" at 4874.49,9588.45 h31.25
  text "17" at 5268.19,9588.45 h31.25
  text "16" at 5661.89,9588.45 h31.25
  text "15" at 6055.59,9588.45 h31.25
  text "14" at 6449.29,9588.45 h31.25
  text "13" at 6842.99,9588.45 h31.25
  text "12" at 7236.69,9588.45 h31.25
  text "11" at 7630.39,9588.45 h31.25
  text "10" at 8024.1,9588.45 h31.25
  text "9" at 8418.11,9588.45 h31.25
  text "8" at 8811.81,9588.45 h31.25
  text "7" at 9205.51,9588.45 h31.25
  text "6" at 9599.21,9588.45 h31.25
  text "5" at 9992.91,9588.45 h31.25
  text "4" at 10386.61,9588.45 h31.25
  text "3" at 10780.32,9588.45 h31.25
  text "2" at 11174.02,9588.45 h31.25
  text "1" at 11487.01,9588.45 h31.25
  text "T" at 2457.7,9330.57 h31.25
  text "T" at 11623.06,9330.57 h31.25
  text "R" at 2457.36,8895.53 h31.25
  text "R" at 11622.71,8895.53 h31.25
  text "P" at 2457.68,8501.83 h31.25
  text "P" at 11623.03,8501.83 h31.25
  text "N" at 2457.51,8108.13 h31.25
  text "N" at 11622.86,8108.13 h31.25
  text "D" at 3312.71,7994.33 h31.25
  text "M" at 2456.71,7714.43 h31.25
  text "M" at 11622.06,7714.43 h31.25
  text "C" at 3312.76,7601 h31.25
  text "L" at 2457.44,7320.73 h31.25
  text "L" at 11622.79,7320.73 h31.25
  text "B" at 3312.85,7206.92 h31.25
  text "K" at 2457.7,6927.03 h31.25
  text "K" at 11623.06,6927.03 h31.25
  text "A" at 3311.82,6771.88 h31.25
  text "J" at 2457.52,6533.33 h31.25
  text "J" at 11622.87,6533.33 h31.25
  text "H" at 2457.72,6139.63 h31.25
  text "H" at 11623.07,6139.63 h31.25
  text "G" at 2457.69,5745.93 h31.25
  text "G" at 11623.04,5745.93 h31.25
  text "F" at 2457.46,5352.23 h31.25
  text "F" at 11622.82,5352.23 h31.25
  text "E" at 2457.86,4958.53 h31.25
  text "E" at 11623.21,4958.53 h31.25
  text "D" at 11622.78,4564.83 h31.25
  text "C" at 11622.82,4171.12 h31.25
  text "B" at 11622.92,3777.42 h31.25
  text "DEBURR AND" at 10826.37,3513.96 h11.81
  text "UNLESS OTHERWISE SPECIFIED:" at 10190.82,3513.31 h11.81
  text "FINISH:" at 10456.78,3513.3 h11.81
  text "DO NOT SCALE DRAWING" at 11072.87,3502.39 h11.81
  text "REVISION" at 11393.45,3500.83 h11.81
  text "DIMENSIONS ARE IN MILLIMETERS" at 10190.82,3493.63 h11.81
  text "BREAK SHARP" at 10826.37,3494.28 h11.81
  text "EDGES" at 10826.37,3474.59 h11.81
  text "SURFACE FINISH:" at 10190.82,3473.94 h11.81
  text "TOLERANCES:" at 10190.82,3454.26 h11.81
  text "LINEAR:" at 10204.1,3434.57 h11.81
  text "ANGULAR:" at 10204.1,3414.89 h11.81
  text "SIGNATURE" at 10422.63,3376.63 h11.81
  text "DATE" at 10557.91,3376.74 h11.81
  text "TITLE:" at 10974.25,3376.74 h11.81
  text "NAME" at 10298.92,3376.15 h11.81
  text "DRAWN" at 10191.21,3343.74 h11.81
  text "A" at 11621.89,3342.38 h31.25
  text "SOLIDWORKS Educational Product." at 2320,3329.52 h114.56
  text "CHK'D" at 10193.54,3310.49 h11.81
  text "APPV'D" at 10189.3,3278.24 h11.81
  text "MFG" at 10194.99,3243.98 h11.81
  text "MATERIAL:" at 10624.3,3214.61 h11.81
  text "DWG NO." at 10973.17,3214.61 h11.81
  text "Q.A" at 10198.02,3210.82 h11.81
  text "A0" at 11531.58,3202.18 h22.92
  text "pcb_base" at 11247.26,3195.88 h50
  text "For Instructional Use Only." at 2320,3157.68 h114.56
  text "WEIGHT:" at 10624.08,3111.96 h11.8
  text "SCALE:5:1" at 10974.13,3111.58 h11.81
  text "SHEET 1 OF 1" at 11323.77,3111.58 h11.81
  text "16" at 5661.89,3084.51 h31.25
  text "15" at 6055.59,3084.51 h31.25
  text "14" at 6449.29,3084.51 h31.25
  text "13" at 6842.99,3084.51 h31.25
  text "12" at 7236.69,3084.51 h31.25
  text "11" at 7630.39,3084.51 h31.25
  text "10" at 8024.1,3084.51 h31.25
  text "9" at 8418.11,3084.51 h31.25
  text "8" at 8811.81,3084.51 h31.25
  text "7" at 9205.51,3084.51 h31.25
  text "6" at 9599.21,3084.51 h31.25
  text "5" at 9992.91,3084.51 h31.25
  text "4" at 10386.61,3084.51 h31.25
  text "3" at 10780.32,3084.51 h31.25
  text "2" at 11174.02,3084.51 h31.25
  text "1" at 11487.01,3084.51 h31.25

## Text inside footprints (layer, text, board x,y; h text height)
J1: Top 3D Body "PCB EDGE" at 4643.15,8111.1 h24 r165
U2: Top 3D Body "ANTENNA" at 5397.24,7555.71 h70 r270